# Altium PCB CH565W-R0.PcbDoc (part 5 of 5)
Units mil, origin at the board's own origin, x right, y up, seen from the top; angles counter-clockwise.
Board outline 3947.04 x 3947.04 mil, 4 copper layers (Top Layer, Layer 1, Layer 2, Bottom Layer), stack 23.756 mil thick; 204 components, 168 nets, 932 pads, 1005 vias.
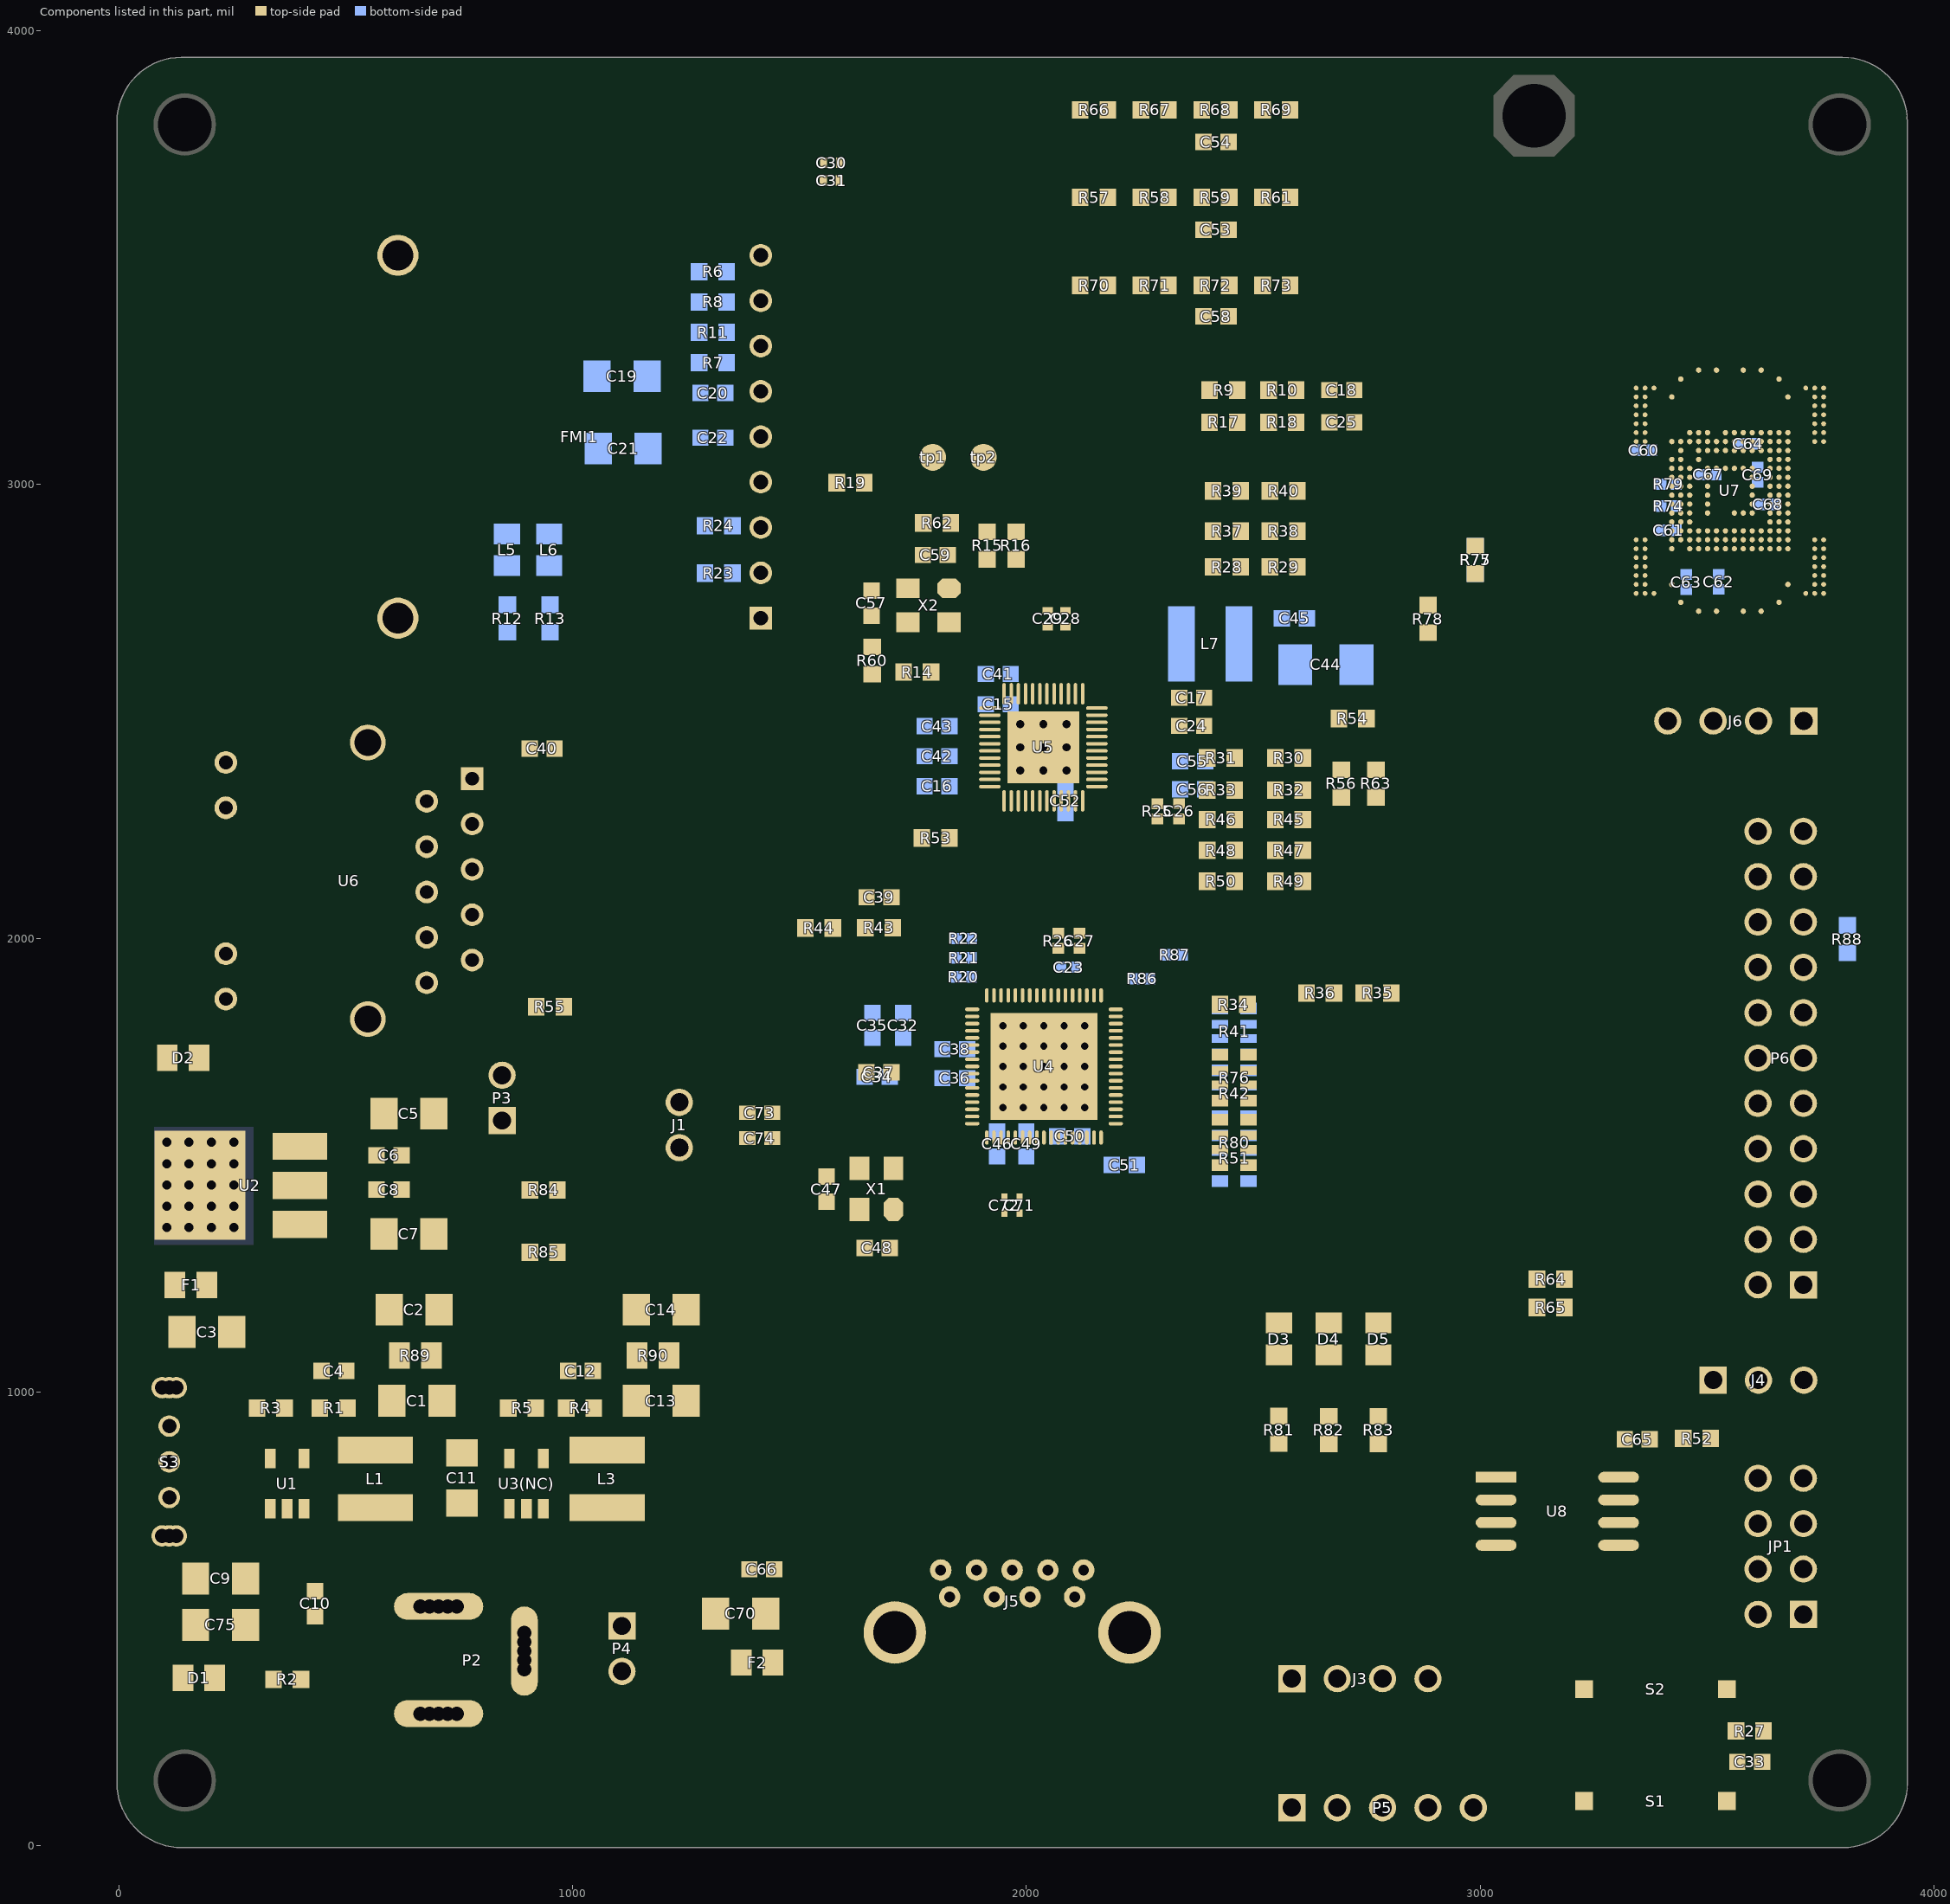
[diagram p7: the components of this part, seen from the top]

## Silkscreen, mask and mechanical layers (free items; w line width, h text height)
Top Overlay:
  circle w10: c144.36,3793.89 r118.11
  circle w10: c3792.65,3793.89 r118.11
  circle w10: c144.36,143.12 r118.11
  circle w10: c3792.65,143.12 r118.11
  region: 2564.33,2060.37 2535.29,2013.45 2594.57,2013.45
  lines w8: 2369.6,2069.8 2639.31,2069.8 ; 2566.18,2039.46 2566.18,1953.98 2685.29,1953.98 ; 2651.29,1953.98 2870.66,1953.98 2870.66,2209.92 2651.29,2209.92 2651.29,1953.98
  text "CH565W-R0-1v1" at 2960.49,3545.69 h50
  text "RXD3" at 3562.63,2546.69 h32
  text "TXD3" at 3430.15,2546.11 h32
  text "POW" at 3679.99,2546.11 h32
  text "GND" at 3332.85,2545.53 h32
  text "D10" at 3453.39,2217.34 h32
  text "D11" at 3774.84,2211.87 h32
  text "D8" at 3480.05,2116.98 h32
  text "D9" at 3774.84,2114.8 h32
  text "PWDN" at 3416.07,2016.63 h32
  text "CLK" at 3448.06,1916.27 h32
  text "D7" at 3774.84,1914.49 h32
  text "D6" at 3480.05,1815.91 h32
  text "D5" at 3774.84,1814.68 h32
  text "D4" at 3480.05,1715.55 h32
  text "D3" at 3774.84,1712.82 h32
  text "VIO" at 908.08,1680.61 h32
  text "D2" at 3480.05,1615.2 h32
  text "D1" at 3774.84,1615.06 h32
  text "3V3" at 909.83,1575.38 h32
  text "D0" at 3480.05,1514.84 h32
  text "RESET" at 3774.84,1510.46 h32
  text "SDA" at 3448.06,1414.48 h32
  text "HERF" at 3774.84,1413.56 h32
  text "SCL" at 3448.06,1314.12 h32
  text "SYNC" at 3774.84,1310.29 h32
  text "GND" at 3448.06,1213.77 h32
  text "5V" at 3480.73,1089.66 h32
  text "3V3" at 3672.88,1089.66 h32
  text "ON" at 202.61,971.97 h40 r270
  text "OFF" at 202.61,850.76 h40 r270
  text "RST" at 3453.38,792.21 h32
  text "MOSI" at 3774.98,787.86 h32
  text "GND" at 3453.38,689.99 h32
  text "MISO" at 3774.98,687.09 h32
  text "POW" at 3453.38,587.77 h32
  text "SCK" at 3774.98,586.32 h32
  text "3V3" at 3453.38,485.55 h32
  text "SCS" at 3774.98,485.55 h32
  text "POW" at 955.44,467.16 h32
  text "GND" at 2529.67,427.32 h32
  text "TXD" at 2636.43,427.32 h32
  text "RXD" at 2745.05,427.32 h32
  text "POW" at 2853.67,427.32 h32
  text "DOWNLOAD" at 3257.79,427.37 h32
  text "GND" at 951.61,362.9 h32
  text "RST" at 3256.4,178.71 h32
  text "GND" at 2524.59,147.57 h32
  text "RST" at 2634.14,147.57 h32
  text "TIO" at 2737.76,147.57 h32
  text "TCK" at 2839.67,147.57 h32
  text "3V3" at 2940.73,147.57 h32
Mechanical 1:
  lines w10: 0,137.56 ccw(c137.68,137.68) 137.8,0 3799.21,0 ; 0,137.8 0,3799.21 ; 0,3799.54 cw(c137.63,3799.38) 137.79,3937.01 ; 136.97,3937.01 3799.21,3937.01 ; 3799.5,0 ccw(c3799.36,137.65) 3937.01,137.8 3937.01,3799.21 ccw(c3799.21,3799.21) 3799.21,3937.01 ; 3799.21,3937.01 3799.21,3937.01

## Text inside footprints (layer, text, board x,y; h text height)
D1: Top Overlay "+" at 94.89,356.47 h40 r90
D2: Top Overlay "+" at 60.45,1723 h40 r90
D3: Top Overlay "+" at 2570.03,1036.15 h40 r180
D4: Top Overlay "+" at 2679.4,1036.15 h40 r180
D5: Top Overlay "+" at 2788.77,1036.15 h40 r180
J5: Bottom Overlay "V" at 1842.59,390.43 h31.5 r90; Bottom Overlay "D-" at 1941.02,390.43 h31.5 r90; Bottom Overlay "D+" at 2019.76,390.43 h31.5 r90; Bottom Overlay "G" at 2118.18,390.43 h31.5 r90; Bottom Overlay "R-" at 2137.87,449.48 h31.5 r90; Bottom Overlay "R+" at 2059.13,449.48 h31.5 r90; Bottom Overlay "G" at 1980.39,449.48 h31.5 r90; Bottom Overlay "T-" at 1901.65,449.48 h31.5 r90; Bottom Overlay "T+" at 1822.91,449.48 h31.5 r90
U5: Top Overlay "1" at 1872.13,2499.41 h30